# Altium PCB PDU-UV17.PcbDoc (part 1 of 2)
Units mm, origin at the board's own origin, x right, y up, seen from the top; angles counter-clockwise.
Board outline 130 x 100 mm, 4 copper layers (Top Layer, Internal Plane 1, Signal Layer 1, Bottom Layer), stack 1.7 mm thick; 126 components, 183 nets, 933 pads, 1005 vias.
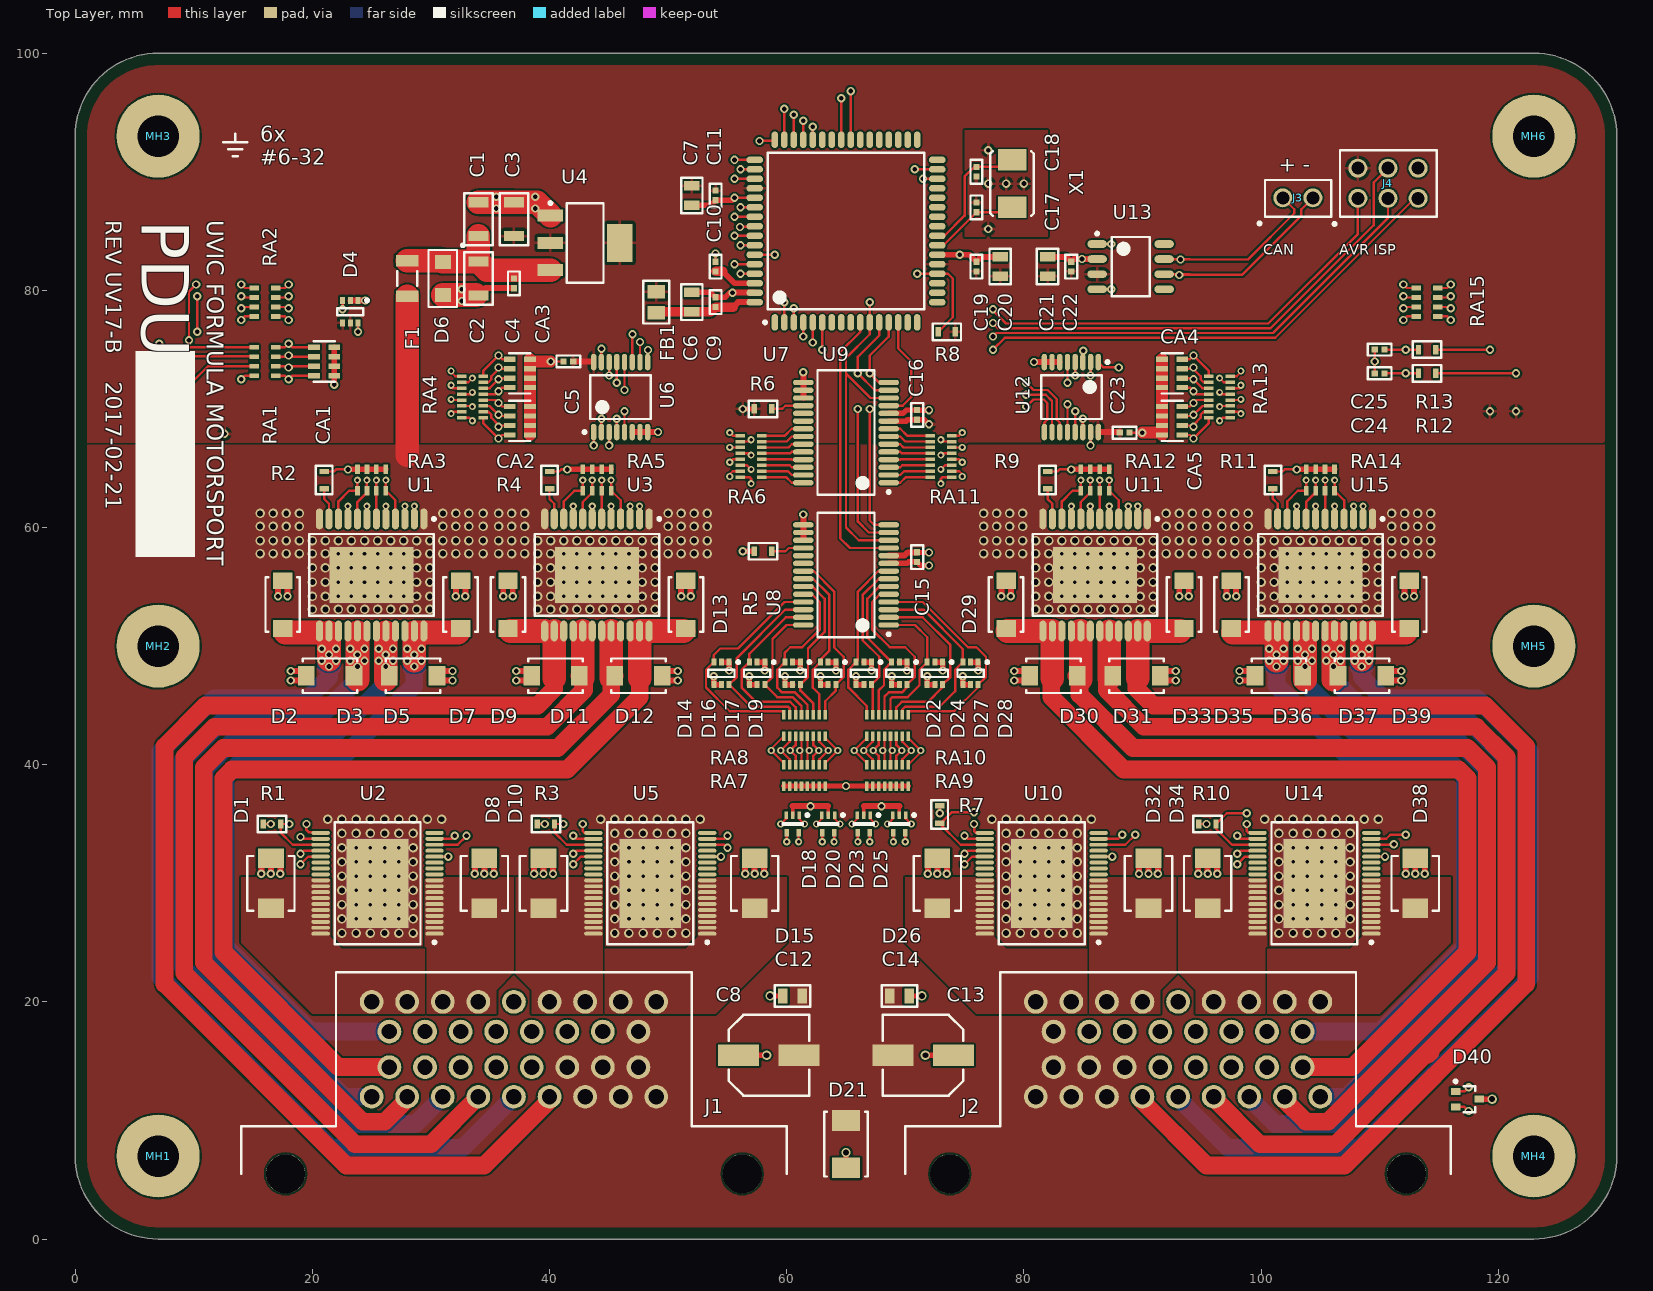
[diagram p0: Top Layer view]
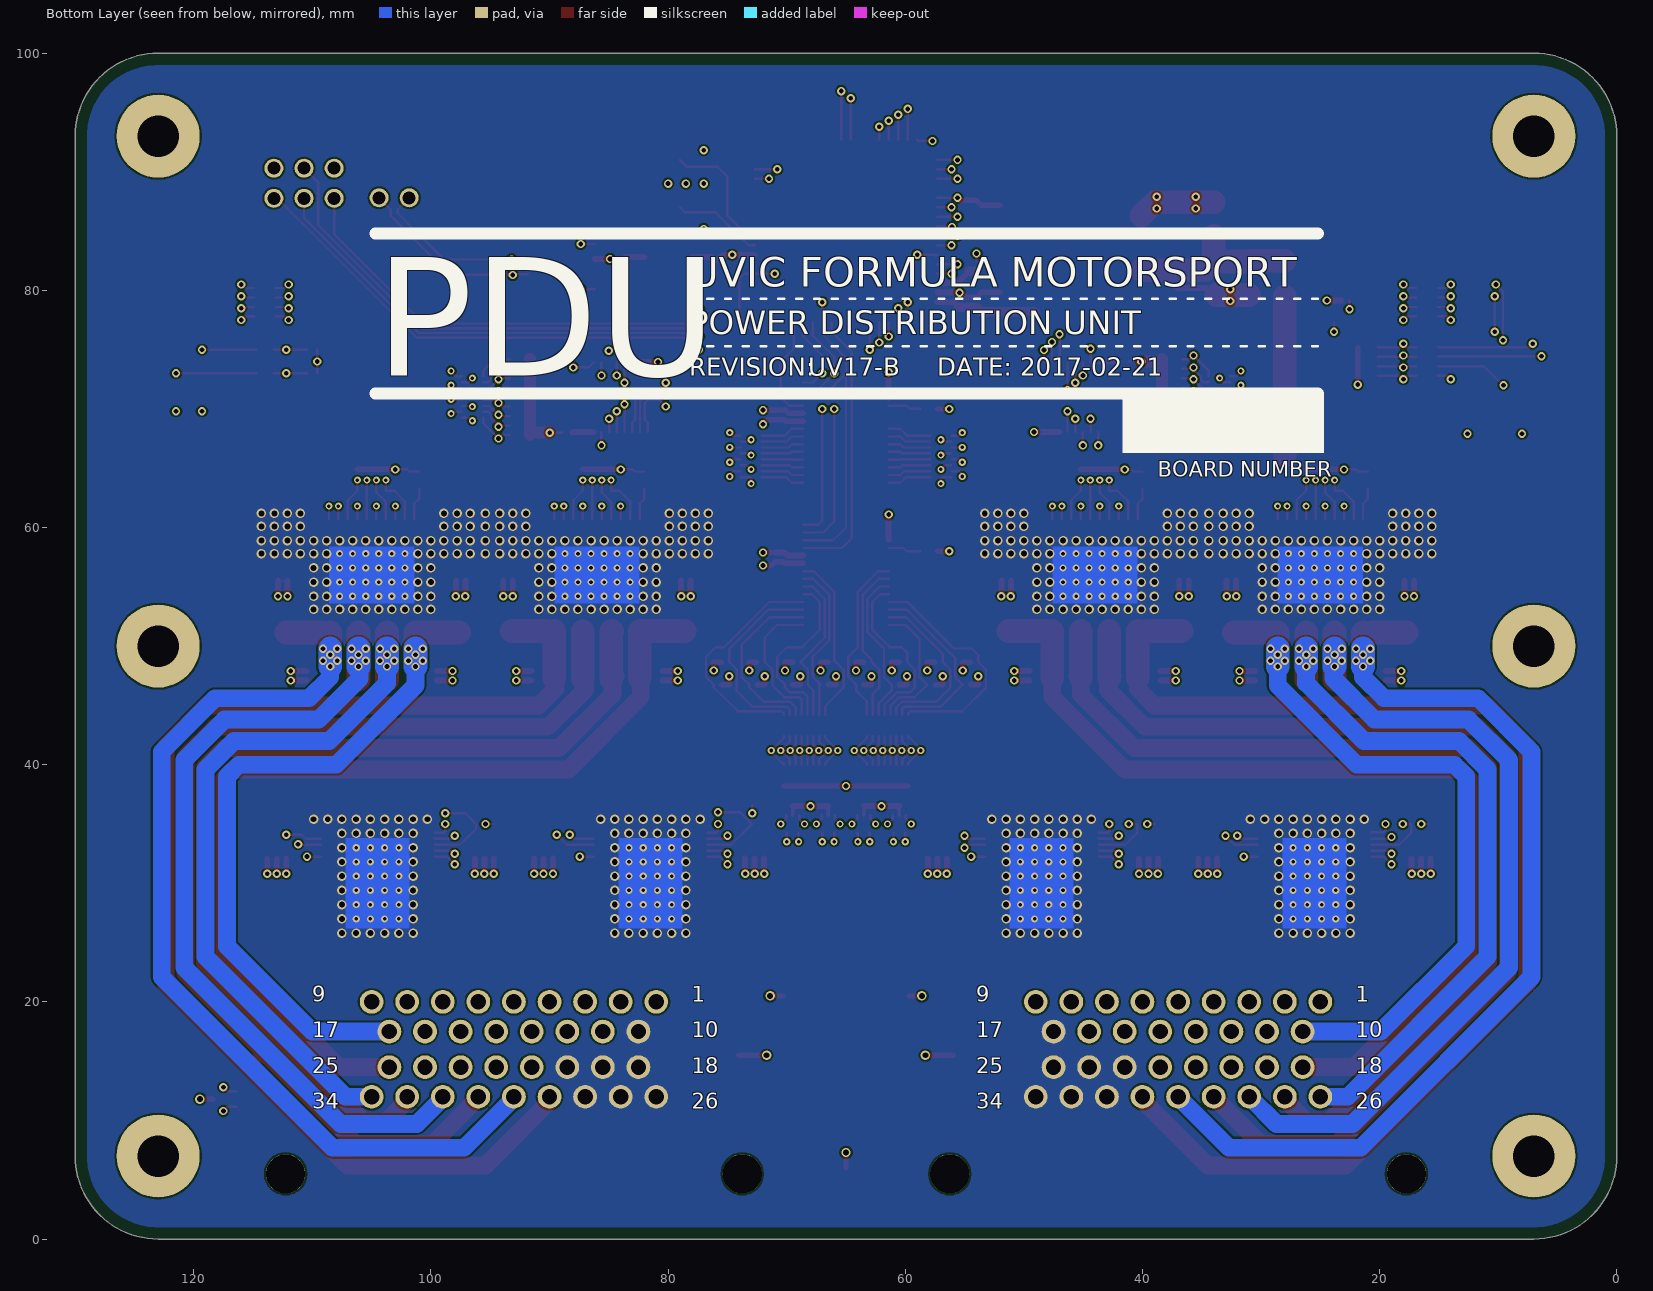
[diagram p1: Bottom Layer view, seen from below]
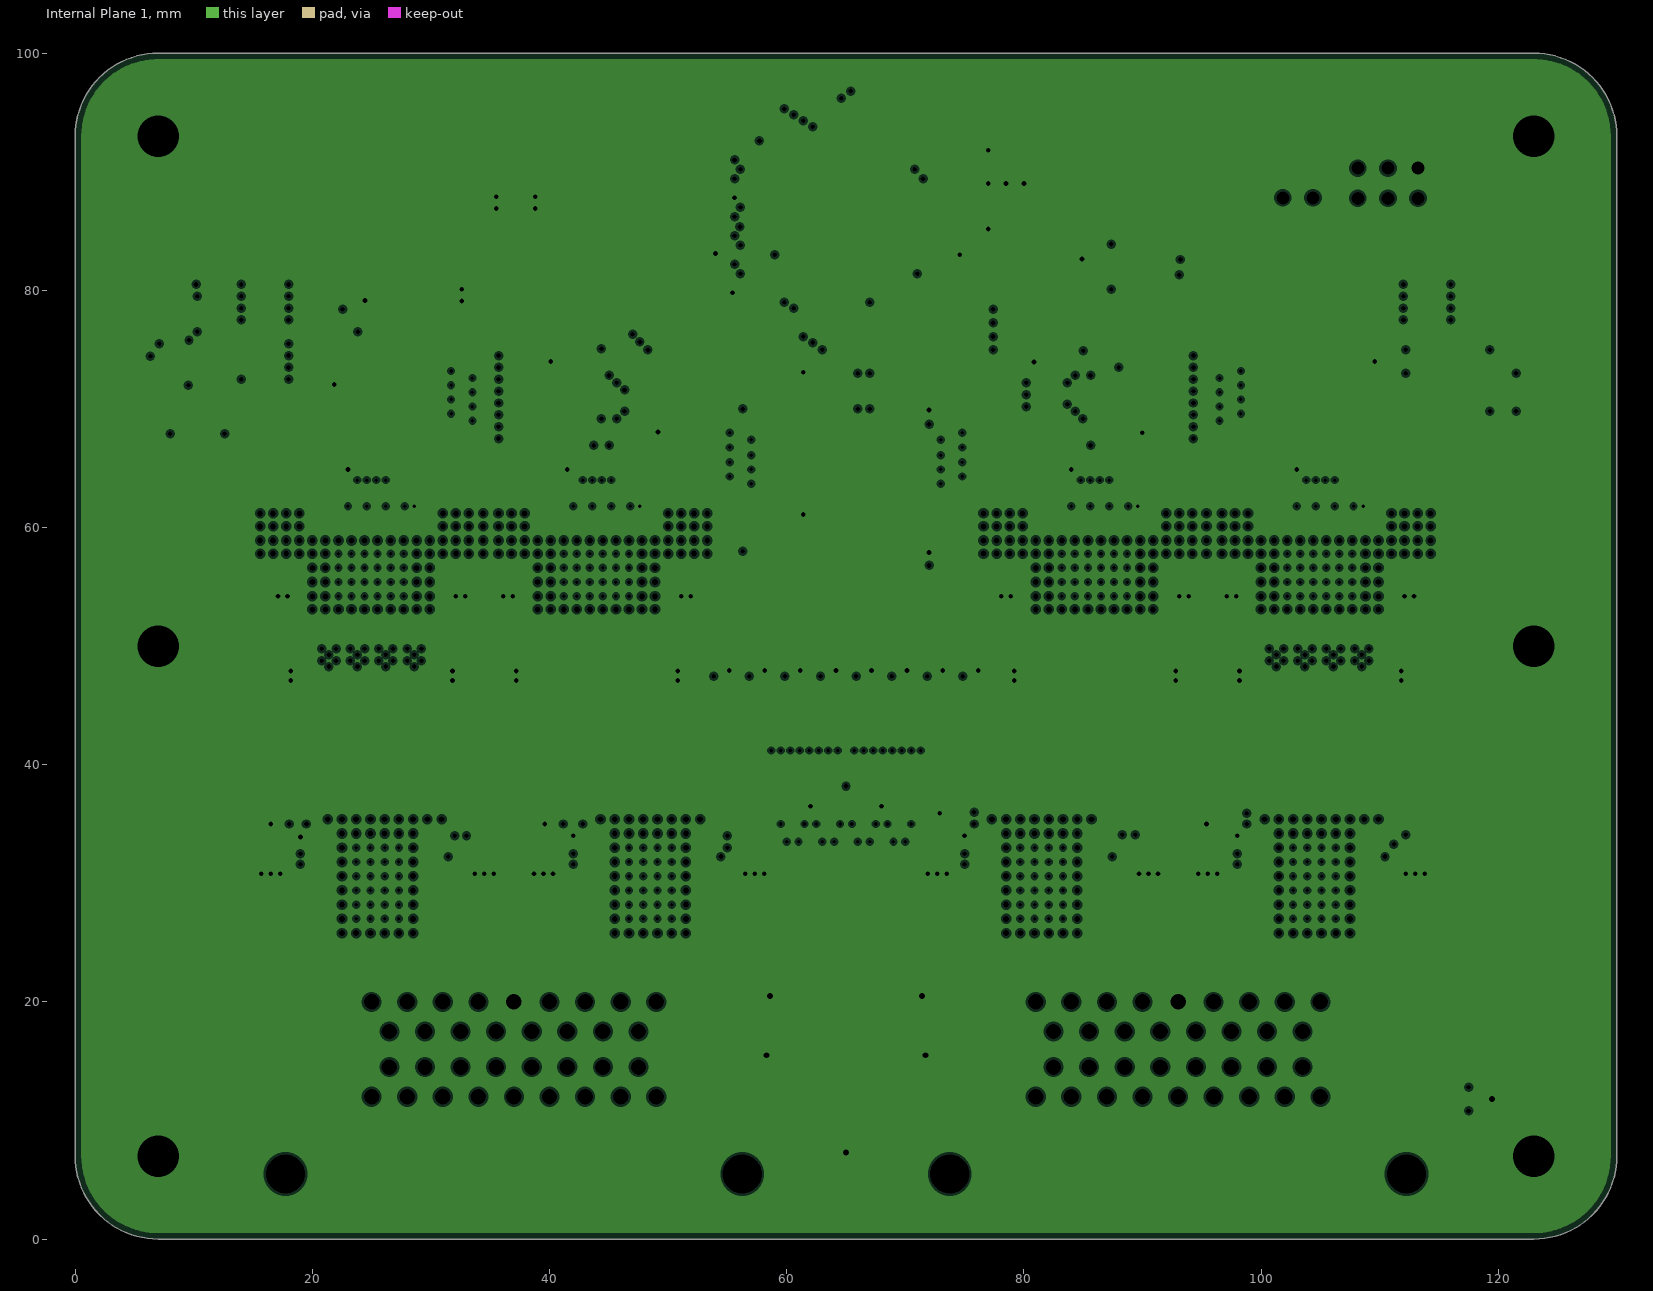
[diagram p2: Internal Plane 1, clearances drawn from the general rule]
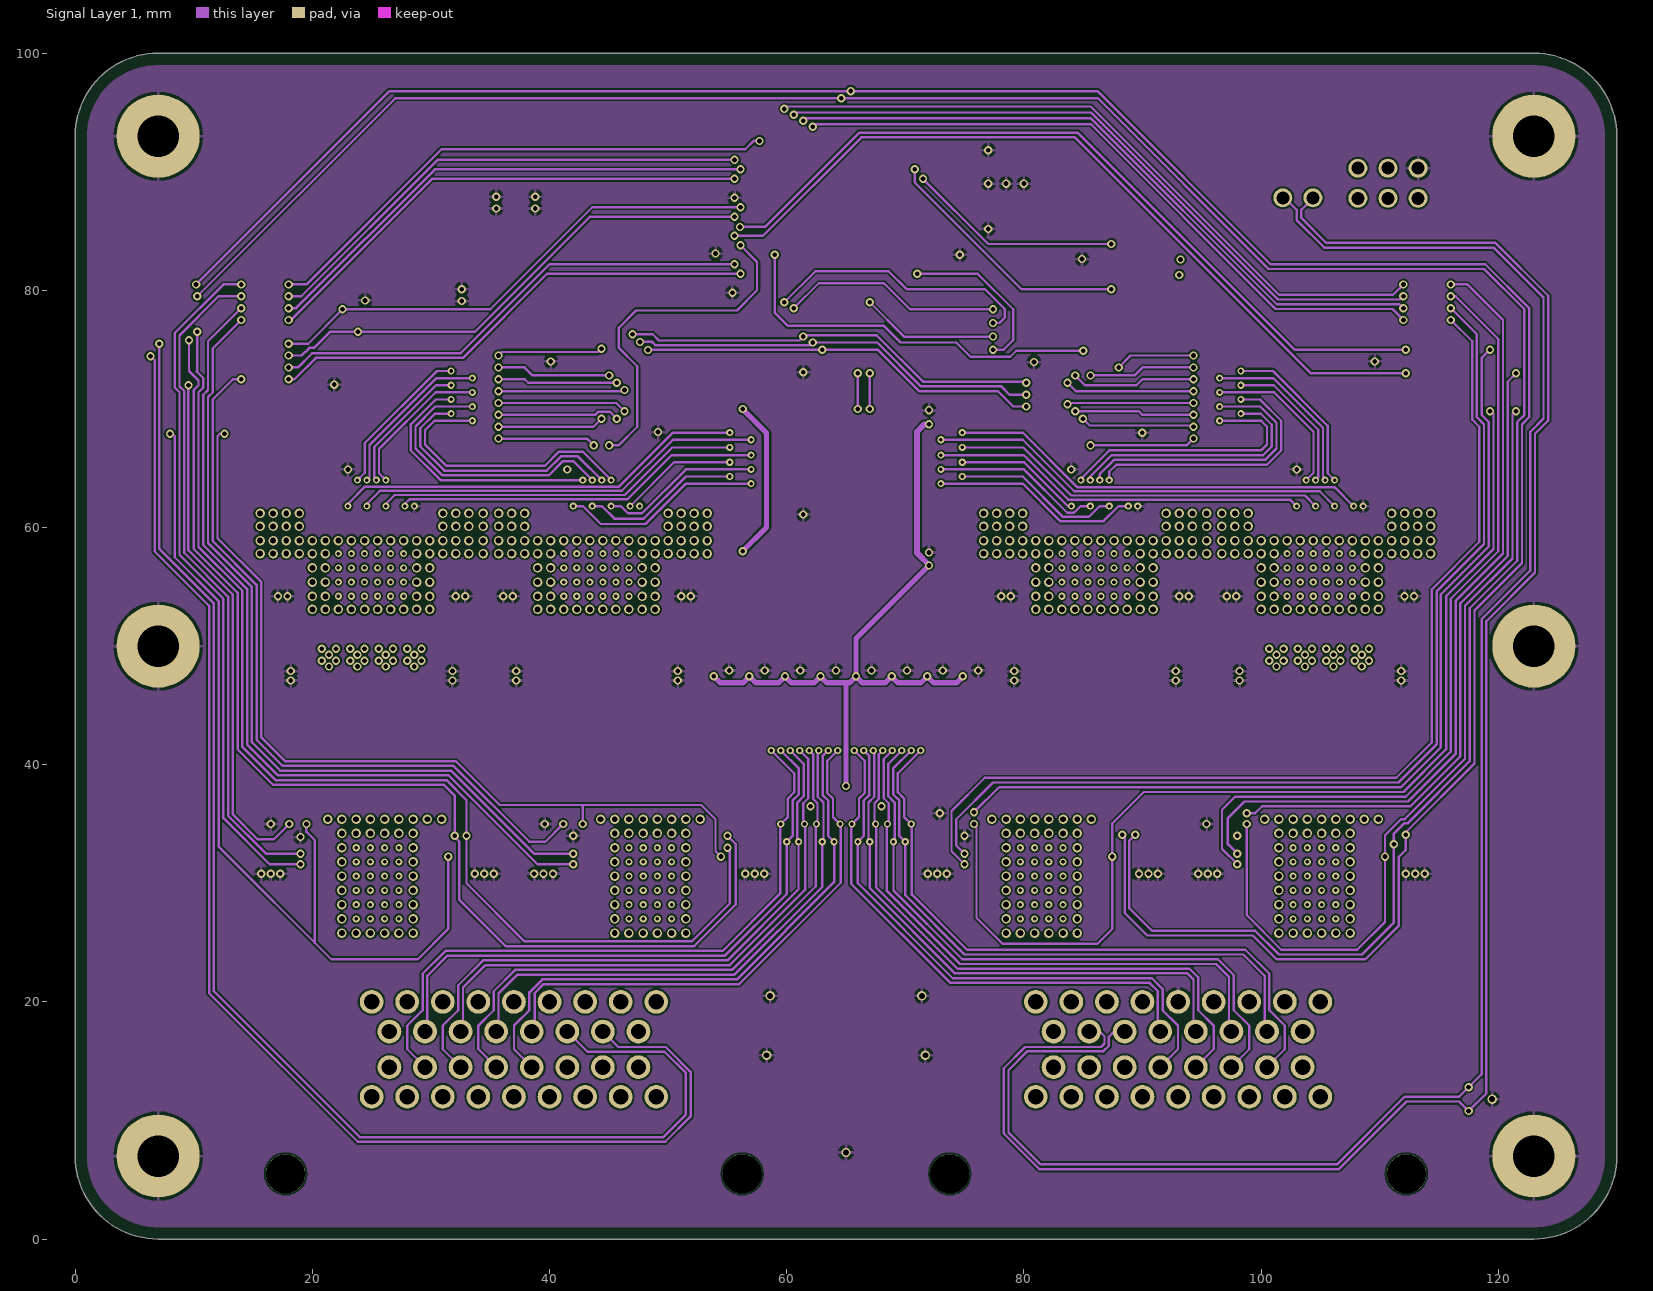
[diagram p3: Signal Layer 1]

## Layer stack, top to bottom
Top Solder: solder mask 0.0102, Solder Resist, Dk 3.5
Top Layer: signal copper 0.07
Dielectric 1: prepreg 0.175, FR-4, Dk 4.2
Internal Plane 1: plane copper 0.035, net GND
Dielectric 3: core 1.14, FR-4, Dk 4.2
Signal Layer 1: signal copper 0.035
Dielectric 2: prepreg 0.175, FR-4, Dk 4.2
Bottom Layer: signal copper 0.07
Bottom Solder: solder mask 0.0102, Solder Resist, Dk 3.5

## Board outline
0,7 0,93 cw(c7,93) 7,100 123,100 cw(c123,93) 130,93 130,7 cw(c123,7) 123,0 7,0 cw(c7,7)

## Design rules (kind name [scope] priority, off if disabled: settings)
Clearance Clearance_1 [All] p1: gap=0.152 ignorepadtopadclearanceinfootprint=FALSE
Height [All] p1: minheight=0 maxheight=100 prefheight=12.7
HoleSize [All] p1: absolutevalues=TRUE maxlimit=6.3 minlimit=0.3 maxpercent=80.000 minpercent=20.000
MinimumSolderMaskSliver [All] p1: minsoldermaskwidth=0.01
PlaneClearance [All] p1: clearance=0.2
PlaneConnect [All] p1: planeconnectstyle=Direct reliefexpansion=0.508 reliefentries=4 reliefconductorwidth=0.254 reliefairgap=0.254
PolygonConnect PolygonConnect_HC [InNet('+VBAT') or InNetClass('OUT_20A')] p1: connectstyle=Direct reliefconductorwidth=0.254 reliefentries=4 polygonreliefangle="90 Angle" airgapwidth=0.254
PolygonConnect [All] p2: connectstyle=Relief reliefconductorwidth=0.254 reliefentries=4 polygonreliefangle="90 Angle" airgapwidth=0.254
RoutingVias [All] p1: holewidth=0.711 width=1.27 viastyle="Through Hole" minholewidth=0.3 minwidth=0.6 maxholewidth=0.711 maxwidth=1.27
SilkToSolderMaskClearance [IsPad] p1: minsilkscreentomaskgap=0.1 clearancetoexposedcopper=TRUE
SolderMaskExpansion [All] p1: expansion=0.05
Width [All] p1: maxlimit=20 minlimit=0.152 preferedwidth=0.2
24 further rules are at their usual default settings.

## Classes and differential pairs
net class OUT_5A: OUT_5A_1 OUT_5A_2 OUT_5A_3 OUT_5A_4 OUT_5A_5 OUT_5A_6 OUT_5A_7 OUT_5A_8 OUT_5A_9 OUT_5A_10 OUT_5A_11 OUT_5A_12 OUT_5A_13 OUT_5A_14 OUT_5A_15 OUT_5A_16
component class Inputs: D5 D16 D19 D22 D25 D27 D28 D29 D30 D32 D33 D35 D36 RA7 RA8 RA13 RA14
component class Multiplexers: C5 C23 CA2 CA3 CA4 CA5 RA4 RA13 U6 U12
component class Connectors: J1 J2 J3 J4
component class "Drivers - High Current": D1 D9 D11 D15 D22 D26 D28 D36 R1 R3 R7 R10 R? U2 U5 U8 U14
component class "Drivers - Low Current": D2 D3 D5 D8 D10 D11 D12 D15 D22 D25 D29 D30 D31 D33 D36 D37 R2 R4 R9 R11 RA3 RA5 RA12 RA14 U1 U3 U11 U15
component class Mechanical: MH1 MH2 MH3 MH4 MH5 MH6
component class Microcontroller: C6 C7 C9 C10 C11 C17 C18 C19 C20 C24 C25 C26 C27 CA1 FB1 R8 R12 R13 RA1 RA2 RA15 U7 X1
component class Peripherals: C21 C22 D40 U13
component class Power: C1 C2 C3 C4 C11 C12 C13 C14 D6 D33 F1 U4
component class "Serial IO": C15 C16 R5 R6 RA6 RA13 U8 U9
net class OUT_20A: OUT_20A_1 OUT_20A_2 OUT_20A_3 OUT_20A_4 OUT_20A_5 OUT_20A_6 OUT_20A_7 OUT_20A_8

## Components (designator, comment, footprint, x,y, rotation, side; value= is the part's Value field where it differs from the comment)
C1 "CAP 10µF ±10% 25V 1206 X7R" CAP-1206-M 34,86 r270 top value=10µF
C2 "CAP 10µF ±10% 25V 1206 X7R" CAP-1206-M 34,81 r90 top value=10µF
C3 "CAP 22µF ±10% 10V 1206 X7R" CAP-1206-M 37,86 r270 top value=22µF
C4 "CAP 0.10µF ±10% 25V 0402 X7R" CAP-0402-M 37,80.59 r90 top value=0.10µF
C5 "CAP 0.10µF ±10% 16V 0402 X7R" CAP-0402-M 41.59,74 r0 top value=0.10µF
C6 "CAP 1µF ±10% 16V 0805 X7R" CAP-0805-M 52,79 r90 top value=1µF (schematic designator C7)
C7 "CAP 1µF ±10% 16V 0805 X7R" CAP-0805-M 52,88 r270 top value=1µF (schematic designator C6)
C8 "EEE-FK1V101XP" CAPAE7066X80M 58.5,15.5 r0 top value=100µF (schematic designator C11)
C9 "CAP 0.10µF ±10% 16V 0402 X7R" CAP-0402-M 54,79 r270 top value=0.10µF (schematic designator C10)
C10 "CAP 0.10µF ±10% 16V 0402 X7R" CAP-0402-M 54,82 r270 top value=0.10µF (schematic designator C9)
C11 "CAP 0.10µF ±10% 16V 0402 X7R" CAP-0402-M 54,88 r90 top value=0.10µF (schematic designator C8)
C12 "CAP 1nF ±10% 250V 0805 X7R" CAP-0805-M 60.5,20.5 r180 top value=1nF
C13 "EEE-FK1V101XP" CAPAE7066X80M 71.5,15.5 r180 top value=100µF
C14 "CAP 1nF ±10% 250V 0805 X7R" CAP-0805-M 69.5,20.5 r0 top value=1nF
C15 "CAP 0.10µF ±10% 16V 0402 X7R" CAP-0402-M 71,57.5 r270 top value=0.10µF (schematic designator C16)
C16 "CAP 0.10µF ±10% 16V 0402 X7R" CAP-0402-M 71,69.5 r270 top value=0.10µF (schematic designator C15)
C17 "CAP 12pF ±5% 50V 0402 C0G, NP0" CAP-0402-M 76,87 r270 top value=12pF (schematic designator C18)
C18 "CAP 12pF ±5% 50V 0402 C0G, NP0" CAP-0402-M 76,90 r90 top value=12pF (schematic designator C17)
C19 "CAP 0.10µF ±10% 16V 0402 X7R" CAP-0402-M 76,82 r270 top value=0.10µF
C20 "CAP 1µF ±10% 16V 0805 X7R" CAP-0805-M 78,82 r90 top value=1µF
C21 "CAP 1µF ±10% 16V 0805 X7R" CAP-0805-M 82,82 r90 top value=1µF
C22 "CAP 0.10µF ±10% 16V 0402 X7R" CAP-0402-M 84,82 r270 top value=0.10µF
C23 "CAP 0.10µF ±10% 16V 0402 X7R" CAP-0402-M 88.5,68 r180 top value=0.10µF
C24 "CAP 10000pF ±10% 16V 0402 X7R" CAP-0402-M 110,73 r0 top value=10nF (schematic designator C25)
C25 "CAP 10000pF ±10% 16V 0402 X7R" CAP-0402-M 110,75 r0 top value=10nF (schematic designator C24)
CA1 "CKCA43X7R1H103M100AA" CAF-80P319X159-8N 21,74 r180 top value=10nF
CA2 "CKCA43X7R1H103M100AA" CAF-80P319X159-8N 37.5,69 r180 top value=10nF (schematic designator CA3)
CA3 "CKCA43X7R1H103M100AA" CAF-80P319X159-8N 37.5,73 r180 top value=10nF (schematic designator CA2)
CA4 "CKCA43X7R1H103M100AA" CAF-80P319X159-8N 92.5,73 r0 top value=10nF
CA5 "CKCA43X7R1H103M100AA" CAF-80P319X159-8N 92.5,69 r180 top value=10nF
D1 "SM6T22CA" SM6T 16.5,30 r270 top
D2 "SMA6T22CAY" DIOM4326X25N 17.5,53.5 r270 top
D3 "SMA6T22CAY" DIOM4326X25N 21.5,47.5 r0 top
D4 "BAT54BRW-7-F" SOT65P210X110-6N 23.2,78.2 r270 top (schematic designator D40)
D5 "SMA6T22CAY" DIOM4326X25N 28.5,47.5 r180 top (schematic designator D4)
D6 "BZT52HC30WF-7" SODFL340X115-2N 31,81 r270 top (schematic designator D5)
D7 "SMA6T22CAY" DIOM4326X25N 32.5,53.5 r270 top (schematic designator D6)
D8 "SM6T22CA" SM6T 34.5,30 r270 top (schematic designator D7)
D9 "SMA6T22CAY" DIOM4326X25N 36.5,53.5 r270 top (schematic designator D8)
D10 "SM6T22CA" SM6T 39.5,30 r270 top (schematic designator D9)
D11 "SMA6T22CAY" DIOM4326X25N 40.5,47.5 r0 top (schematic designator D10)
D12 "SMA6T22CAY" DIOM4326X25N 47.5,47.5 r180 top (schematic designator D11)
D13 "SMA6T22CAY" DIOM4326X25N 51.5,53.5 r270 top (schematic designator D12)
D14 "BAT54BRW-7-F" SOT65P210X110-6N 54.5,47.7 r270 top (schematic designator D31)
D15 "SM6T22CA" SM6T 57.3,30 r270 top (schematic designator D13)
D16 "BAT54BRW-7-F" SOT65P210X110-6N 57.5,47.7 r270 top (schematic designator D30)
D17 "BAT54BRW-7-F" SOT65P210X110-6N 60.5,47.7 r270 top (schematic designator D29)
D18 "PESD5V0U4BW" SOTFL50P160X60-5N 60.5,35 r270 top (schematic designator D36)
D19 "BAT54BRW-7-F" SOT65P210X110-6N 63.5,47.7 r270 top (schematic designator D28)
D20 "PESD5V0U4BW" SOTFL50P160X60-5N 63.5,35 r270 top (schematic designator D37)
D21 "SMAJ30C" SON127P500X135-2N 65,8 r270 top (schematic designator D14)
D22 "BAT54BRW-7-F" SOT65P210X110-6N 66.5,47.7 r270 top (schematic designator D35)
D23 "PESD5V0U4BW" SOTFL50P160X60-5N 66.5,35 r270 top (schematic designator D38)
D24 "BAT54BRW-7-F" SOT65P210X110-6N 69.5,47.7 r270 top (schematic designator D34)
D25 "PESD5V0U4BW" SOTFL50P160X60-5N 69.5,35 r270 top (schematic designator D39)
D26 "SM6T22CA" SM6T 72.7,30 r270 top (schematic designator D16)
D27 "BAT54BRW-7-F" SOT65P210X110-6N 72.5,47.7 r270 top (schematic designator D33)
D28 "BAT54BRW-7-F" SOT65P210X110-6N 75.5,47.7 r270 top (schematic designator D32)
D29 "SMA6T22CAY" DIOM4326X25N 78.5,53.5 r270 top (schematic designator D17)
D30 "SMA6T22CAY" DIOM4326X25N 82.5,47.5 r0 top (schematic designator D18)
D31 "SMA6T22CAY" DIOM4326X25N 89.5,47.5 r180 top (schematic designator D19)
D32 "SM6T22CA" SM6T 90.5,30 r270 top (schematic designator D20)
D33 "SMA6T22CAY" DIOM4326X25N 93.5,53.5 r270 top (schematic designator D21)
D34 "SM6T22CA" SM6T 95.5,30 r270 top (schematic designator D22)
D35 "SMA6T22CAY" DIOM4326X25N 97.5,53.5 r270 top (schematic designator D23)
D36 "SMA6T22CAY" DIOM4326X25N 101.5,47.5 r0 top (schematic designator D24)
D37 "SMA6T22CAY" DIOM4326X25N 108.5,47.5 r180 top (schematic designator D25)
D38 "SM6T22CA" SM6T 113,30 r270 top (schematic designator D26)
D39 "SMA6T22CAY" DIOM4326X25N 112.5,53.5 r270 top (schematic designator D27)
D40 "PESD1CAN-U" SOT65P210X110-3N 117.4,11.8 r0 top (schematic designator D15)
F1 "0ZCJ0035AF2E" 0ZCJ-1206-0.9 28,81 r90 top value=350mA
FB1 "BLM21AG102SH1D" INDC2012X11N 49,79 r270 top
J1 "6437288-1" 6437288-1 37,12 r0 top locked
J2 "6437288-1" 6437288-1 93,12 r0 top locked
J3 "M20-9990246" M20-9990246 103.1,87.8 r0 top
J4 "M20-9980346" M20-9980346 110.7,90.3 r0 top
MH1 "#6-32" MH-6-32 7,7 r0 top (schematic designator MH3)
MH2 "#6-32" MH-6-32 7,50 r0 top
MH3 "#6-32" MH-6-32 7,93 r0 top (schematic designator MH1)
MH4 "#6-32" MH-6-32 123,7 r0 top (schematic designator MH6)
MH5 "#6-32" MH-6-32 123,50 r0 top
MH6 "#6-32" MH-6-32 123,93 r0 top (schematic designator MH4)
R1 "RES 1K 1% 1/10 W 0603 ±100ppm/°C" RES-0603-M 16.6,35 r0 top value=1K
R2 "RES 10K 1% 1/10 W 0603 ±100ppm/°C" RES-0603-M 21,64 r270 top value=10K
R3 "RES 1K 1% 1/10 W 0603 ±100ppm/°C" RES-0603-M 39.7,35 r0 top value=1K
R4 "RES 10K 1% 1/10 W 0603 ±100ppm/°C" RES-0603-M 40,64 r270 top value=10K
R5 "RES 1K 1% 1/10 W 0603 ±100ppm/°C" RES-0603-M 58,58 r0 top value=1K (schematic designator R6)
R6 "RES 1K 1% 1/10 W 0603 ±100ppm/°C" RES-0603-M 58,70 r0 top value=1K (schematic designator R5)
R7 "RES 1K 1% 1/10 W 0603 ±100ppm/°C" RES-0603-M 72.9,35.8 r270 top value=1K
R8 "RES 1K 1% 1/10 W 0603 ±100ppm/°C" RES-0603-M 73.5,76.5 r180 top value=1K
R9 "RES 10K 1% 1/10 W 0603 ±100ppm/°C" RES-0603-M 82,64 r270 top value=10K
R10 "RES 1K 1% 1/10 W 0603 ±100ppm/°C" RES-0603-M 95.475,35 r0 top value=1K
R11 "RES 10K 1% 1/10 W 0603 ±100ppm/°C" RES-0603-M 101,64 r270 top value=10K
R12 "RES 10K 1% 1/10 W 0603 ±100ppm/°C" RES-0603-M 114,73 r180 top value=10K (schematic designator R13)
R13 "RES 10K 1% 1/10 W 0603 ±100ppm/°C" RES-0603-M 114,75 r180 top value=10K (schematic designator R12)
RA1 "MNR14ERAPJ103" CAC-80P319X150-8N 16,74 r180 top value=10k (schematic designator RA2)
RA2 "MNR14ERAPJ103" CAC-80P319X150-8N 16,79 r180 top value=10k (schematic designator RA1)
RA3 "MNR14ERAPJ222" CAC-80P319X150-8N 25,64 r270 top value=2k2
RA4 "MNR18ERAPJ103" CAC-50P379X150-16N 33.5,71 r0 top value=10k
RA5 "MNR14ERAPJ222" CAC-80P319X150-8N 44,64 r270 top value=2k2
RA6 "MNR18ERAPJ103" CAC-50P379X150-16N 57,66 r0 top value=10k
RA7 "MNR18ERAPJ103" CAC-50P379X150-16N 61.5,39.1 r270 top value=10k
RA8 "MNR18ERAPJ102" CAC-50P379X150-16N 61.5,43.3 r270 top value=1k (schematic designator RA14)
RA9 "MNR18ERAPJ103" CAC-50P379X150-16N 68.5,39.1 r270 top value=10k (schematic designator RA8)
RA10 "MNR18ERAPJ102" CAC-50P379X150-16N 68.5,43.3 r270 top value=1k (schematic designator RA15)
RA11 "MNR18ERAPJ103" CAC-50P379X150-16N 73,66 r180 top value=10k (schematic designator RA9)
RA12 "MNR14ERAPJ222" CAC-80P319X150-8N 86,64 r270 top value=2k2 (schematic designator RA10)
RA13 "MNR18ERAPJ103" CAC-50P379X150-16N 96.5,71 r180 top value=10k (schematic designator RA11)
RA14 "MNR14ERAPJ222" CAC-80P319X150-8N 105,64 r270 top value=2k2 (schematic designator RA12)
RA15 "MNR14ERAPJ103" CAC-80P319X150-8N 114,79 r0 top value=10k (schematic designator RA13)
U1 "VNQ5027AK-E" SOP80P1030X245_HS-25N 25,56 r270 top
U2 "VND7004AY" SSOP50P1030X265_HS-37N 25.5,30 r180 top
U3 "VNQ5027AK-E" SOP80P1030X245_HS-25N 44,56 r270 top
U4 "NCV1117ST50T3G" SOT230P700X180-4N 43,84 r0 top
U5 "VND7004AY" SSOP50P1030X265_HS-37N 48.5,30 r180 top
U6 "CD4051BPWR" TSOP65P640X120-16N 46,71 r90 top
U7 "AT90CAN32-15AT" TQFP80P1600X1600X120-64N 65,85 r90 top
U8 "MCP23S17-E/SS" SOP65P780X185-28N 65,56 r180 top (schematic designator U10)
U9 "MCP23S17-E/SS" SOP65P780X185-28N 65,68 r180 top
U10 "VND7004AY" SSOP50P1030X265_HS-37N 81.5,30 r180 top (schematic designator U14)
U11 "VNQ5027AK-E" SOP80P1030X245_HS-25N 86,56 r270 top (schematic designator U15)
U12 "CD4051BPWR" TSOP65P640X120-16N 84,71 r270 top (schematic designator U16)
U13 "SN65HVDA1050AQDRQ1" SOIC127P600X175-8M 89,82 r0 top (schematic designator U17)
U14 "VND7004AY" SSOP50P1030X265_HS-37N 104.5,30 r180 top (schematic designator U18)
U15 "VNQ5027AK-E" SOP80P1030X245_HS-25N 105,56 r270 top (schematic designator U19)
X1 "7A-16.000MAAE-T" QFN200P500X320X135-2N 79,89 r90 top value=16MHz

## Footprints (in the part's own frame and the unit in brackets; to place one, negate y for a bottom-side part, rotate by r counter-clockwise, add the part's x,y. Pads: shape width x height; smd on the part's side, far side on the other; paste and mask are expansions set on the pad)
0ZCJ-1206-0.9 [mm]
  rect 1x1.9 smd: 1(-1.5,0) 2(1.5,0)
  silkscreen extent -0.6,-0.85 0.6,0.85, body extent -1.75,-0.9 1.75,0.9, height 0.9
6437288-1 [mm]
  round 2 hole 1.3: 1(-12,8) 2(-9,8) 3(-6,8) 4(-3,8) 5(0,8) 6(3,8) 7(6,8) 8(9,8) 9(12,8) 10(-10.5,5.5) 11(-7.5,5.5) 12(-4.5,5.5) 13(-1.5,5.5) 14(1.5,5.5) 15(4.5,5.5) 16(7.5,5.5) 17(10.5,5.5) 18(-10.5,2.5) 19(-7.5,2.5) 20(-4.5,2.5) 21(-1.5,2.5) 22(1.5,2.5) 23(4.5,2.5) 24(7.5,2.5) 25(10.5,2.5) 26(-12,0) 27(-9,0) 28(-6,0) 29(-3,0) 30(0,0) 31(3,0) 32(6,0) 33(9,0) 34(12,0)
  round 3.3 hole 3.3 unplated: MH1(-19.25,-6.5) MH2(19.25,-6.5)
  silkscreen extent -23,-6.5 23,10.5, body extent -22.75,-26 22.75,10.5, height 28.95
CAC-50P379X150-16N [mm] "Chip Array, ConvexE, 16-Leads, Pitch 0.50mm,  Body 3.80x1.50mm,  IPC Medium Density"
  rect 0.8x0.3 smd: 1(-0.9,1.75) 2(-0.9,1.25) 3(-0.9,0.75) 4(-0.9,0.25) 5(-0.9,-0.25) 6(-0.9,-0.75) 7(-0.9,-1.25) 8(-0.9,-1.75) 9(0.9,-1.75) 10(0.9,-1.25) 11(0.9,-0.75) 12(0.9,-0.25) 13(0.9,0.25) 14(0.9,0.75) 15(0.9,1.25) 16(0.9,1.75)
  body extent -0.87,-1.9 0.87,1.9, height 0.6
CAC-80P319X150-8N [mm] "Chip Array, ConvexE, 8-Leads, Pitch 0.80mm,  Body 3.20x1.50mm,  IPC Medium Density"
  rect 0.8x0.4 smd: 1(-0.9,1.2) 2(-0.9,0.4) 3(-0.9,-0.4) 4(-0.9,-1.2) 5(0.9,-1.2) 6(0.9,-0.4) 7(0.9,0.4) 8(0.9,1.2)
  body extent -0.87,-1.68 0.87,1.68, height 0.6
CAF-80P319X159-8N [mm] "Chip Array, Flat, 8-Leads, Pitch 0.80mm,  Body 3.20x1.60mm,  IPC Medium Density"
  rect 1x0.45 smd: 1(-0.85,1.2) 2(-0.85,0.4) 3(-0.85,-0.4) 4(-0.85,-1.2) 5(0.85,-1.2) 6(0.85,-0.4) 7(0.85,0.4) 8(0.85,1.2)
  silkscreen extent -0.9,-1.7 0.9,1.7, body extent -0.92,-1.68 0.92,1.68, height 1
CAP-0402-M [mm] "Chip Capacitor, 2-Leads, Body 1.00x0.50mm, IPC High Density"
  rect 0.52x0.52 smd: 1(-0.41,0) 2(0.41,0)
  silkscreen extent -1,-0.5 1,0.5, body extent -0.53,-0.28 0.53,0.28, height 0.55
CAP-0805-M [mm] "Chip Capacitor, 2-Leads, Body 2.00x1.25mm, IPC High Density"
  rect 0.8x1.3 smd: 1(-0.825,0) 2(0.825,0)
  silkscreen extent -1.5,-0.9 1.5,0.9, body extent -1.05,-0.67 1.05,0.67, height 1.35
CAP-1206-M [mm] "Chip Capacitor, 2-Leads, Body 3.20x1.60mm, IPC High Density"
  rect 0.85x1.7 smd: 1(-1.425,0) 2(1.425,0)
  silkscreen extent -2.2,-1.2 2.2,1.2, body extent -1.68,-0.87 1.68,0.87, height 1.35
CAPAE7066X80M [mm] "Aluminum Electrolytic Capacitor, Body 6.60x6.60x8.00mm, IPC Low Density"
  rect 3.45x1.8 smd: 1(-2.55,0) 2(2.55,0)
  silkscreen extent -3.4,-3.4 3.4,3.4, body extent -3.5,-3.4 3.5,3.4, height 8
DIOM4326X25N [mm] "Molded Diode, 2-Leads, Body 4.27x2.57mm, IPC Medium Density"
  rect 1.4x1.64 smd: 1(-2.015,0) 2(2.015,0)
  silkscreen extent -2.3,-1.45 2.3,1.45, body extent -2.52,-1.45 2.52,1.45, height 2.45
INDC2012X11N [mm] "Chip Inductor, 2-Leads, Body 2.00x1.25mm, IPC Medium Density"
  rect 1.13x1.47 smd: 1(-0.885,0) 2(0.885,0)
  silkscreen extent -1.8,-1.1 1.8,1.1, body extent -1.1,-0.72 1.1,0.72, height 1.05
M20-9980346 [mm]
  round 1.6 hole 1.1: 1(-2.54,-2.54) 2(-2.54,0) 3(0,-2.54) 4(0,0) 5(2.54,-2.54) 6(2.54,0)
  silkscreen extent -4.62,-4.82 4.1,1.5, body extent -3.79,-3.84 3.83,1.2, height 7.13
M20-9990246 [mm]
  round 1.6 hole 1.1: 1(-1.27,0) 2(1.27,0)